# Allegro board A523-EVB-AXP717C-LPDDR4-4X-32X1-V1-0.brd (continued)
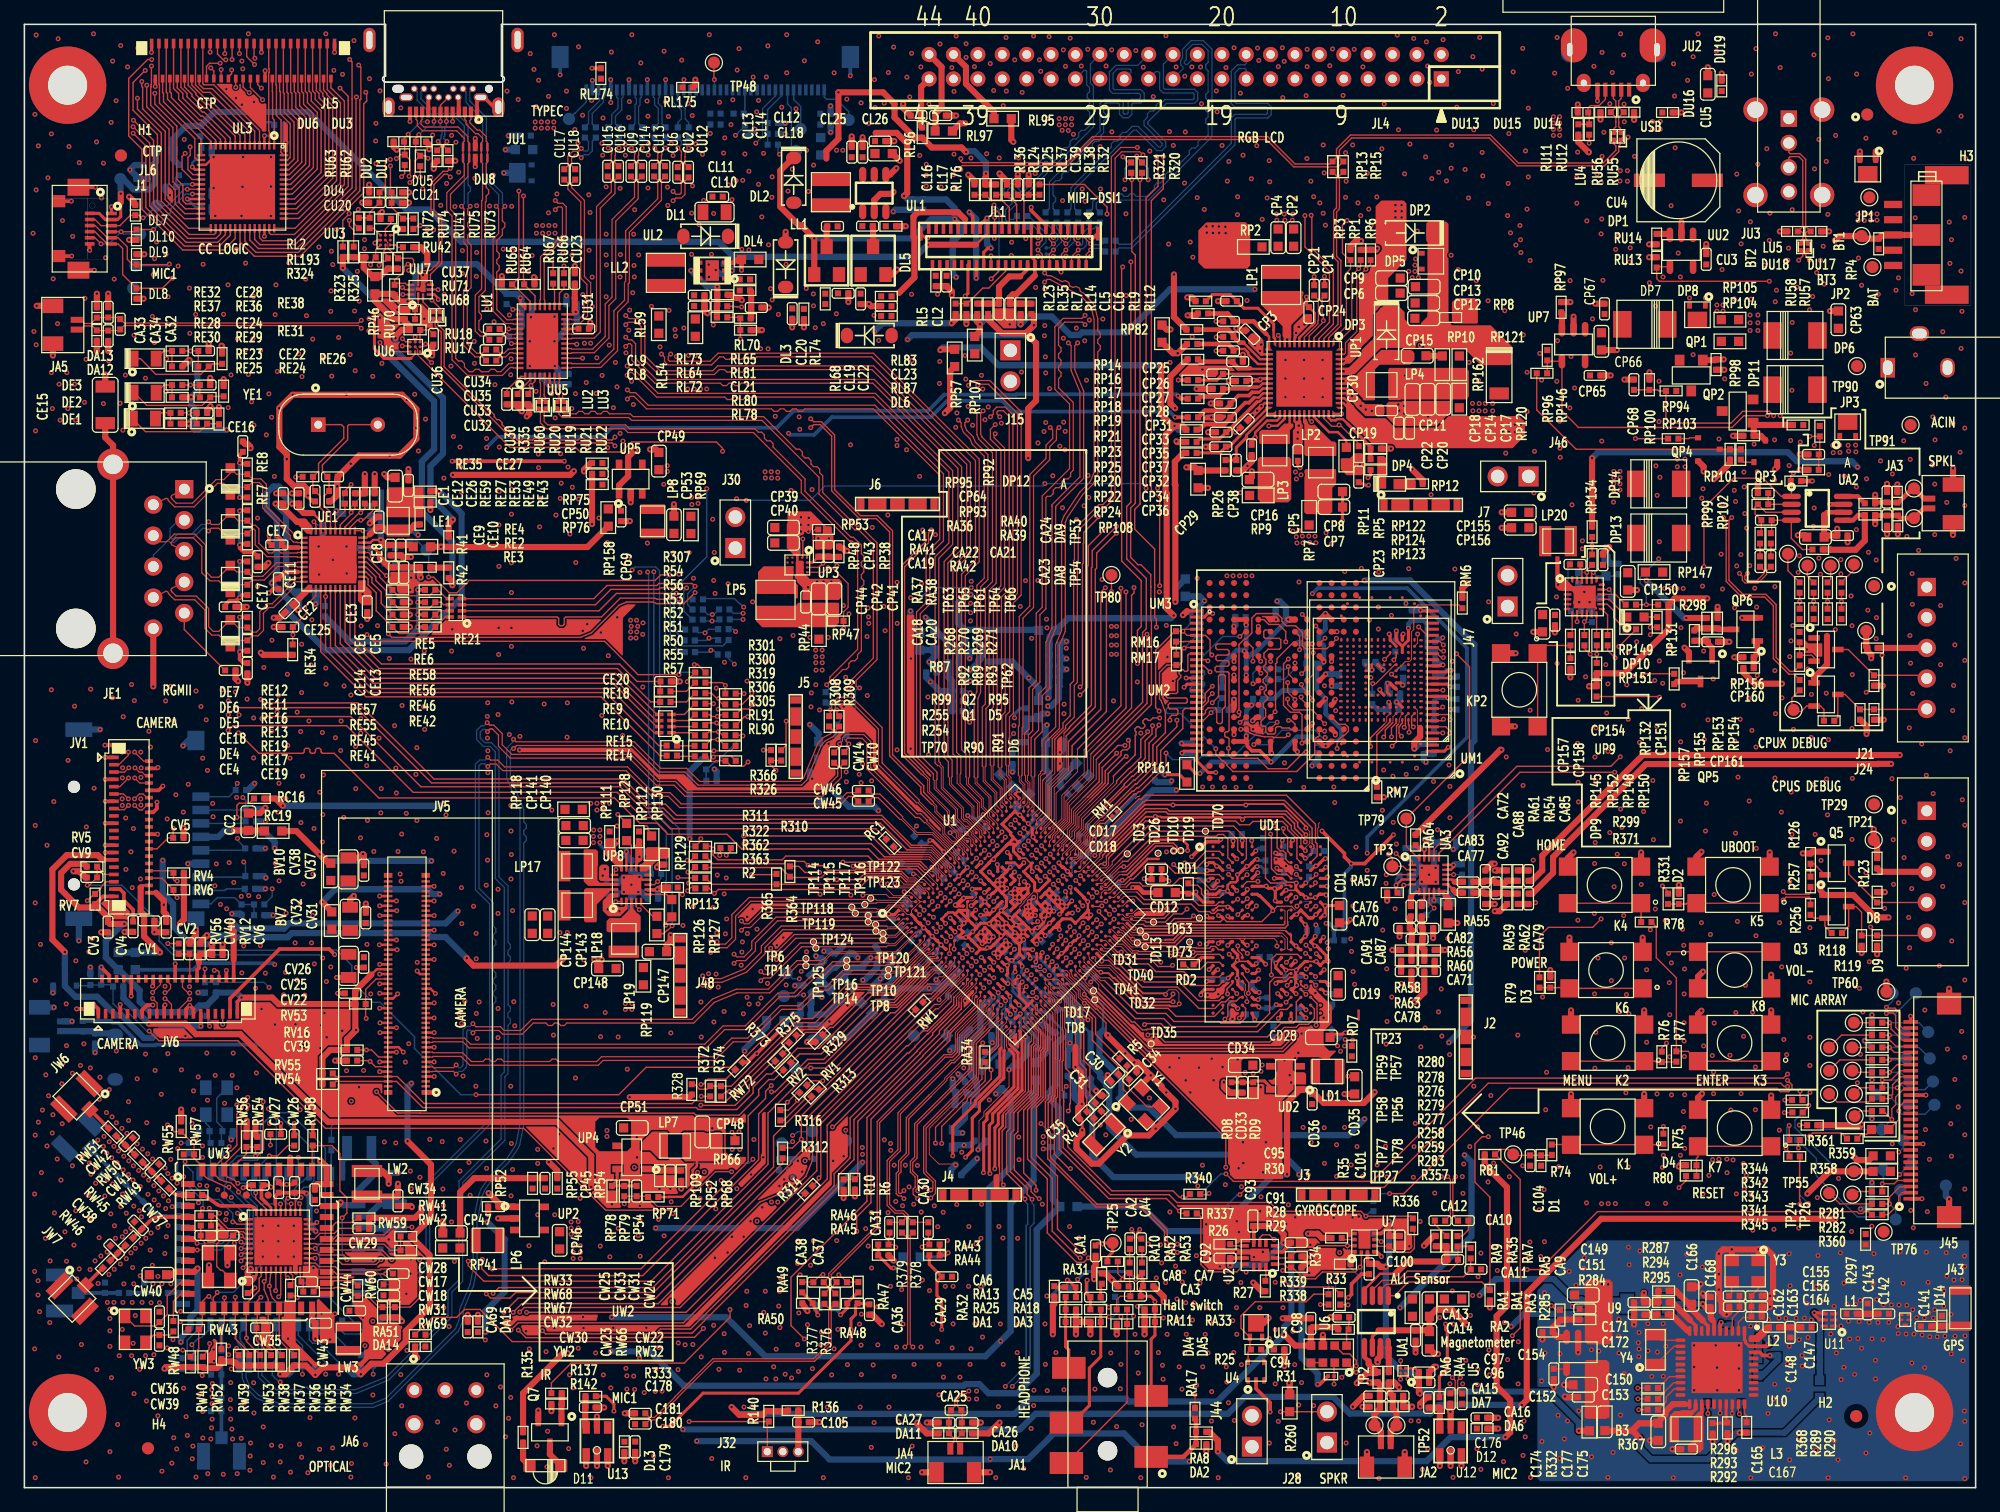
[diagram p0: board, top side]
## Routing (per net, layer and track width the routed paths; a pad name or vN(x,y) marks a point on that pad's centre or on a via; arc(x,y) is an arc through that point) (continued)
  L3 w0.114: v1(116.35,68.07) 116.12,68.07 115.29,67.25 114.93,66.38 114.93,65.56 114.36,62.4 113.93,61.74 v1(112.15,60.81) ; v1(104.79,71.61) 105.74,71.61 106.28,71.07 106.28,69.51 106.37,69.3 107.55,68.12 107.55,65.41 107.08,64.95 107.08,61.94 v1(106.66,61.52)
  L4 w0.114: v1(100.81,60.93) 100.53,61.22 99.11,61.22 97.65,61.82 92.29,61.82 92.11,62 v1(92.1,62) ; v1(112.15,60.81) 112.13,60.83 111.42,60.83 111.11,61.14 110.33,61.14 110.22,61.25 110.22,61.55 110.11,61.67 109.88,61.67 109.76,61.55 109.76,61.25 109.65,61.14 109.42,61.14 109.31,61.25 109.31,61.55 109.19,61.67 108.96,61.67 108.85,61.55 108.85,61.25 108.73,61.14 108.5,61.14 108.39,61.25 108.39,61.55 108.28,61.67 108.05,61.67 107.93,61.55 107.93,61.25 107.82,61.14 107.03,61.14 v1(106.66,61.52)
  BOTTOM w0.114: v1(100.81,60.93) 101.94,60.93 103.11,62.11 105.83,62.11 106.19,61.75 106.19,61.73 106.41,61.52 v1(106.66,61.52)
NDQ5: length 62.2
  TOP w0.076: 89.93,57.83 86.83,54.73 86.83,53.99 86.47,53.63 86.47,53.08 85.47,52.08 U1.P28
  TOP w0.102: v1(99.74,62.19) UM2.E10
  TOP w0.114: UM2.E10 100.48,61.89 100.86,61.74 101.68,61.57 102.36,61.57 102.41,61.52 103.41,61.52 103.63,61.74 v1(103.64,61.74) ; UM2.N4 106.18,70.37 105.89,70.66 v1(105.89,70.66) ; v1(113.54,61.95) 113.54,61.95 113.54,62.53 113.49,62.59 UM1.H3 ; UM3.42 115.85,68.9 116.11,68.64 116.32,68.64 v1(116.36,68.6) ; v1(92.51,62.49) 92.46,62.44 92.46,61.8 91.9,61.24 91.9,59.8 90.76,58.67 90.71,58.67 89.93,57.89 89.93,57.83
  L3 w0.114: v1(113.54,61.95) 113.54,62.03 113.53,62.04 113.53,62.98 113.88,65.1 114.32,66.37 115.27,67.85 116.08,68.61 v1(116.36,68.6) ; v1(105.89,70.66) 105.89,69.44 105.99,69.34 105.99,69.15 106.69,68.46 106.69,68.29 106.48,68.08 106.04,68.08 105.93,67.97 105.93,67.48 106.14,67.27 106.88,67.27 107.22,66.93 107.22,66.5 106.92,66.2 106.34,66.2 106.05,65.91 106.05,62.34 105.46,61.74 v1(103.64,61.74)
  L4 w0.114: v1(113.54,61.95) 113.52,61.96 112.85,61.96 112.25,62.56 112.25,62.72 112.51,62.98 112.51,63.14 112.34,63.3 112.18,63.3 111.92,63.05 111.76,63.05 111.5,63.31 105.54,63.31 105.08,62.85 105.08,62.69 105.39,62.38 105.39,62.22 105.23,62.06 105.07,62.06 104.76,62.37 104.6,62.37 103.98,61.75 103.64,61.75 v1(103.64,61.74) ; v1(92.51,62.49) 92.82,62.18 99.73,62.18 v1(99.74,62.19)
NDQ6: length 57.3
  TOP w0.076: U1.R27 85.47,51.59 85.78,51.89 85.78,52.11 86.63,52.96 86.63,53.52 87.02,53.9 87.02,54.41 88.25,55.65
  TOP w0.114: 88.25,55.65 90.18,57.58 90.18,57.69 90.84,58.35 90.93,58.35 92.22,59.64 92.22,61.06 92.79,61.63 92.79,62.2 93.03,62.45 v1(93.03,62.54) ; UM2.F10 v1(99.68,62.76) ; UM3.43 116.07,69.4 v1(116.35,69.11) ; UM1.J3 113.23,63.24 113.23,62.49 113.14,62.4 v1(113.14,62.36) ; UM2.M4 v1(106.64,69.67)
  L3 w0.114: v1(107.52,63.72) 107.52,63.85 107.93,64.26 107.93,68.38 v1(106.64,69.67) ; v1(116.35,69.11) 116.01,69.12 114.93,68.09 113.82,66.2 113.14,63.51 v1(113.14,62.36)
  L4 w0.114: v1(113.14,62.36) 113.14,62.9 112.52,63.53 107.71,63.53 v1(107.52,63.72) 107.33,63.53 105.3,63.53 103.86,62.08 103.22,62.08 103.1,61.97 103.1,61.5 102.99,61.39 102.76,61.39 102.64,61.5 102.64,61.97 102.53,62.08 102.3,62.08 102.19,61.97 102.19,61.5 102.07,61.39 101.84,61.39 101.73,61.5 101.73,61.97 101.62,62.08 101.28,62.08 101.02,61.82 100.61,61.82 v1(99.68,62.76) 99.42,62.5 93.16,62.5 93.12,62.54 v1(93.03,62.54)
NDQ7: length 68.1
  TOP w0.076: U1.R28 85.93,51.69 86.28,51.69 86.43,51.84 86.43,52.31 87.03,52.92 87.03,53.49 87.45,53.91 87.45,54.16 88.28,54.99 88.37,54.99
  TOP w0.114: v1(107.58,69.64) 107.58,69.59 UM2.M3 106.8,68.81 105.03,68.81 104.8,69.03 104.8,70.12 104.24,70.67 103.48,70.67 103.11,71.04 103.11,71.3 102.73,71.68 101.01,71.68 100.65,71.32 100.65,70.09 100.15,69.59 100.05,69.59 99.59,69.14 v1(99.59,63.6) 99.69,63.5 99.69,63.31 99.58,63.19 UM2.F11 ; v1(113.89,62.38) 113.76,62.52 113.76,63.26 UM1.J2 ; v1(114.33,70.59) 115.02,69.9 UM3.44 ; v1(94.5,62.93) 94.5,62.41 92.85,60.76 92.85,59.37 91.2,57.71 91.1,57.71 88.37,54.99
  L4 w0.114: v1(107.58,69.64) 113.38,69.64 v1(114.33,70.59) ; v1(99.59,63.6) 99.59,63.47 ; 99.59,63.47 99.59,63.2 99.21,62.81 94.62,62.81 v1(94.5,62.93) ; 99.59,63.47 100.53,62.53 101.02,62.53 101.17,62.38 103.78,62.38 105.25,63.86 107.18,63.86 107.38,64.06 107.66,64.06 107.86,63.86 113,63.86 113.11,63.74 113.11,63.25 113.22,63.13 113.45,63.13 113.57,63.25 113.57,63.74 113.68,63.86 114.24,63.86 114.35,63.74 114.35,62.84 v1(113.89,62.38)
NDQS: length 58.6
  TOP w0.076: 89.3,58.27 89.3,57.83 86.47,55 86.47,54.15 86.11,53.79 86.11,53.29 U1.N29
  TOP w0.114: v1(103.66,62.92) 103.88,62.92 104.18,62.62 UM2.E6 103.82,62.19 103.72,62.29 103.12,62.29 103.01,62.41 102.71,62.41 102.59,62.29 102.59,61.92 102.48,61.81 101.94,61.81 101.78,61.97 101.78,62.35 101.7,62.43 101.5,62.43 101.4,62.53 101.4,62.84 101.78,63.22 101.78,63.83 101.6,64.01 101.6,64.34 101.94,64.68 101.94,64.84 101.67,65.11 101.67,65.27 101.83,65.43 101.83,65.79 101.57,66.04 101.57,66.28 101.93,66.64 101.93,66.8 101.63,67.11 101.63,67.36 101.8,67.54 101.8,67.92 101.64,68.08 101.64,68.41 101.98,68.76 102.91,68.76 103.02,68.87 103.02,69.53 102.91,69.65 101.74,69.65 101.63,69.76 101.63,70.22 101.74,70.33 102.04,70.33 UM2.N8 ; 89.3,58.27 89.3,58.35 90.38,59.44 90.43,59.44 91.08,60.1 91.08,61.67 91.15,61.74 91.15,61.99 91.07,62.08 91.07,62.24 91.23,62.4 91.39,62.4 91.52,62.27 91.72,62.27 91.87,62.42 91.87,62.57 91.71,62.72 91.71,62.88 91.88,63.05 92.04,63.05 92.17,62.91 92.33,62.91 92.54,63.12 v1(93.09,63.12) ; UM3.35 v1(116.32,65.4)
  L4 w0.114: v1(116.32,65.4) 114.71,65.4 114.6,65.51 114.6,65.74 114.48,65.85 114.25,65.85 114.14,65.74 114.14,65.51 114.02,65.4 112.23,65.4 111.12,64.28 106.07,64.28 105.88,64.1 105.18,64.1 104,62.92 v1(103.66,62.92) 103.47,63.11 101.78,63.11 101.62,63.27 100.41,63.27 99.72,63.96 99.07,63.96 98.25,63.14 96.59,63.14 95.69,63.52 94.04,63.52 v1(93.09,63.12)
NQON: length 1.8
  TOP w0.114: UP9.7 126.91,70.06 RP145.2
NRB0: length 46.5
  TOP w0.076: 88.61,55.74 87.18,54.31 87.18,53.85 86.88,53.55 86.88,52.98 86.18,52.28 U1.R29
  TOP w0.114: UM1.W5 112.49,68.07 v1(112.29,67.88) ; UM2.J5 105.68,66.69 v1(105.68,68.47) ; 88.61,55.74 90.31,57.44 90.38,57.44 90.97,58.03 91.07,58.03 92.53,59.49 92.53,60.89 93.56,61.91 93.56,63.58 93.2,64.56 93.08,64.69 93.08,66.85 93.69,67.47 RM17.2 94.69,67.47 94.94,67.71 94.94,68.68 v1(95.1,68.85) 95.15,68.9 UM3.7
  L4 w0.114: v1(95.1,68.85) 95.67,69.42 100.34,69.42 100.62,69.7 104.45,69.7 v1(105.68,68.47) 105.91,68.24 107.84,68.24 107.89,68.29 111.68,68.29 111.89,68.07 111.89,68.07 112.09,67.88 v1(112.29,67.88)
  BOTTOM w0.114: RM15.1 95.96,69.71 v1(95.1,68.85) ; RM9.1 112.42,68 v1(112.29,67.88)
NRB1: length 39.4
  TOP w0.102: v1(100.74,65.93) 100.92,65.93 UM2.J9
  TOP w0.114: UM3.4 95.16,70.4 v1(95,70.23) ; v1(93.05,63.68) 92.76,63.97 92.76,68.66 94.33,70.23 RM16.2 v1(95,70.23) ; v1(97.37,68.29) 97.22,68.43 97.22,69.52 96.85,69.9 UM3.5 95.33,69.9 v1(95,70.23) ; v1(84.42,50.87) U1.R25
  L4 w0.076: v1(84.42,50.87) 84.42,51.48 86.59,53.65 86.59,53.97
  L4 w0.114: v1(93.05,63.68) 92.41,63.68 89.16,60.44 89.16,56.55 86.59,53.97 ; v1(100.74,65.93) 100.4,66.27 100.06,66.27 98.05,68.29 v1(97.37,68.29)
  BOTTOM w0.114: RM3.1 101.76,67.31 101.26,67.31 100.74,66.79 v1(100.74,65.93) ; v1(95,70.23) 95.57,70.81 95.57,71.76 RM14.1
NRBX: length 2.8
  TOP w0.114: UM3.6 95.09,69.4 95.06,69.37 95.05,69.38 RM16.1 94.46,69.36 RM17.1
NRE: length 71.9
  TOP w0.114: v1(102.72,62.77) 102.18,62.23 UM2.E8 ; v1(104.56,68.72) 104.57,68.73 104.57,69.81 UM2.N6 ; UM1.W6 111.99,68.38 v1(111.53,67.92) ; v1(93.61,60.24) 93.61,59.19 91.51,57.08 91.36,57.08 91.17,56.89 91.01,56.89 RM1.2 ; UM3.8 95.52,68.4 95.4,68.28 95.4,67.03 95.31,66.94 95.15,66.94 95.01,67.08 94.84,67.08 94.68,66.92 94.68,66.76 94.83,66.62 94.83,66.45 94.56,66.19 94.56,65.24 94.45,65.13 93.7,65.13 93.62,65.04 93.62,64.88 93.73,64.76 95.24,64.76 95.36,64.65 95.36,64.45 95.24,64.34 93.92,64.34 93.79,64.21 93.79,63.98 93.91,63.86 94.47,63.86 94.58,63.75 94.58,63.46 94.47,63.34 94.09,63.34 93.93,63.19 v1(93.93,62.94)
  L3 w0.114: v1(102.72,62.77) 102.72,62.88 102.92,63.08 102.92,63.33 103.04,63.45 104.95,63.45 105.06,63.56 105.06,63.79 104.95,63.9 103.04,63.9 102.92,64.02 102.92,67.8 103.84,68.72 v1(104.56,68.72) ; v1(93.93,62.94) 93.93,62.78 91.88,60.74 91.88,58.25 92,58.14 92.79,58.14 92.9,58.25 92.9,59.08 93.02,59.19 93.83,59.19 93.95,59.08 93.95,58.46 94.06,58.35 94.27,58.35 94.38,58.46 94.38,59.05 94.52,59.19 94.72,59.19 94.84,59.08 94.84,58.46 94.95,58.35 95.18,58.35 95.3,58.46 95.3,59.05 95.43,59.19 95.72,59.19 95.83,59.31 95.83,59.53 95.72,59.65 93.01,59.65 92.9,59.76 92.9,60.65 93.01,60.77 93.5,60.77 93.61,60.65 v1(93.61,60.24)
  L4 w0.114: v1(104.56,68.72) 105.21,68.07 105.21,67.91 104.74,67.43 104.74,67.27 104.9,67.11 105.06,67.11 105.54,67.58 105.7,67.58 105.9,67.38 107.44,67.38 107.98,67.92 v1(111.53,67.92)
  BOTTOM w0.114: v1(93.61,60.24) 94.15,59.71 96.26,59.71 96.54,59.98 99.17,59.98 101.02,61.83 101.59,61.83 101.78,62.02 101.78,62.46 102.09,62.77 v1(102.72,62.77)
NWE: length 66.3
  TOP w0.102: v1(112.1,66.71) 112.32,66.49 UM1.R5
  TOP w0.114: v1(97.4,64.37) 97.91,64.88 97.91,66.56 98.03,66.67 98.35,66.67 98.47,66.56 98.47,64.06 98.35,63.94 98.34,63.94 98.23,63.83 98.23,62.77 98.11,62.66 97.89,62.66 97.77,62.77 97.77,63.83 97.66,63.94 97.06,63.94 96.84,63.72 96.84,63.54 96.7,63.4 UM3.18 ; v1(84.07,50.49) 84.09,50.49 U1.R24 ; UM2.F8 102.19,63.2 102.19,63.27 v1(102.55,63.63) 102.59,63.67 102.59,67.55 102.7,67.67 102.7,67.98 103.92,69.19 UM2.M6
  L4 w0.076: v1(84.07,50.49) 84.07,51.36 86.38,53.66 86.38,54.3
  L4 w0.114: v1(112.1,66.71) 111.18,66.04 110.78,65.64 109.87,65.27 106.36,65.27 106.31,65.24 105.03,64.71 104.25,63.93 104.04,63.83 v1(102.55,63.63) 102.51,63.74 99.47,65.01 98.13,65.01 97.48,64.37 v1(97.4,64.37) 97.07,64.7 96.37,64.7 96.26,64.82 96.26,65.88 96.14,66 95.91,66 95.8,65.88 95.8,64.82 95.69,64.7 94.74,64.7 94.63,64.82 94.63,65.67 94.52,65.79 94.29,65.79 94.17,65.67 94.17,65.14 94.06,65.02 92.94,65.02 87.76,59.84 87.76,59.19 87.87,59.07 88.71,59.07 88.83,58.96 88.83,58.73 88.71,58.61 87.87,58.61 87.76,58.5 87.76,58.27 87.87,58.16 88.71,58.16 88.83,58.04 88.83,57.81 88.71,57.7 87.87,57.7 87.76,57.58 87.76,55.98 86.38,54.6 86.38,54.3
  BOTTOM w0.114: v1(112.1,66.71) 112.64,67.25 RM10.1
NWP: length 19
  TOP w0.114: UM2.K9 101.18,66.99 v1(101.39,66.78) ; v1(97.31,63.55) 96.65,62.9 UM3.19 ; v1(105.64,64.57) 105.64,64.74 UM2.H5 105.18,65.24 104.71,65.71 v1(104.71,65.86)
  L4 w0.114: v1(104.71,65.86) 104.65,65.86 104.55,65.77 104.52,65.77 104.24,65.49 102.97,65.49 102.78,65.69 102.74,65.69 101.68,66.75 101.42,66.75 v1(101.39,66.78) ; v1(105.64,64.57) 105.2,64.57 103.93,63.3 102.41,63.3 102,63.7 100.51,63.7 99.95,64.26 98.02,64.26 v1(97.31,63.55)
  BOTTOM w0.114: RM13.1 97.9,64.45 CM17.1 97.54,63.78 v1(97.31,63.55)
OTG-EN: length 21.1
  TOP w0.114: RP102.1 RP99.1 139.02,85.16 ; 139.02,85.16 QP4.3 ; 139.02,85.16 127.24,85.16 124.01,88.39 RP96.1
OWA-OUT: length 83
  TOP w0.114: R300.1 58.85,64.24 59.64,65.02 v1(59.64,65.15) ; v1(55.68,13.06) 54.95,12.33 52.38,12.33 52.03,11.97 39.99,11.97 37.36,14.61 36.1,14.61 35.45,13.96 33.46,13.96 RA51.1
  L3 w0.114: v1(59.64,65.15) 58.17,63.68 58.17,60.04 58.05,59.91 58.05,48.63 54.46,45.05 54.46,38.57 55.02,38.01 55.02,31.08 55.72,30.38 55.72,26.46 56.18,25.99 v1(56.18,24.71)
  L4 w0.114: v1(55.68,13.06) 56.18,13.56 v1(56.18,24.71)
PA-EN: length 1.5
  TOP w0.114: R361.2 150.65,28.98 151.08,28.98 R357.1
PA-SHDN: length 212.2
  TOP w0.114: v1(120.04,28.78) 119.53,28.78 118.94,28.19 118.94,25.05 120.17,23.83 RA3.2 119.5,16.87 113.49,16.87 112.36,15.74 UA1.1 ; v1(146.39,28.83) 146.65,29.09 148.98,29.09 R361.1 ; R301.1 v1(59,65.12) ; v1(145.06,83.21) 144.84,82.99 RA36.2 144.89,82.5 UA2.1 144.06,81.29 142.56,82.78 140.15,82.78 137.72,80.35 v1(137.72,75.53)
  L3 w0.114: v1(137.72,75.53) 137.44,75.8 127.53,75.8 127.48,75.86 127.48,75.86 127.34,75.99 127.34,75.99 127.01,76.33 104.04,76.33 102.49,77.88 91.59,77.88 90.2,76.48 72.26,76.48 68.59,72.81 66.07,72.81 63.39,70.13 63.39,69.5 v1(59,65.12) ; v1(120.04,28.78) 142.95,28.78 144.27,27.46 145.59,27.46 146.39,28.26 v1(146.39,28.83)
  L4 w0.114: v1(145.06,83.21) 144.89,83.04 144.89,71.62 147.14,69.37 147.14,54.48 148,53.63 148,48.78 146.78,47.56 146.78,29.22 v1(146.39,28.83)
PA-VDD: length 104.6
  TOP w0.254: UA1.6 110.53,12.39 111.04,12.9
  TOP w0.381: 147.6,79.78 147.81,79.99 UA2.6
  TOP w0.508: v1(118.29,13.36) 117.07,14.58 115.75,14.58 BA1.2 CA14.1 115.12,12.9 CA13.1 111.04,12.9 ; v1(148.65,78.64) CA21.1 147.7,78.08 CA22.1 147.57,79.75 147.6,79.78
  L3 w0.508: v1(118.29,13.36) 119.72,13.36 127.37,21.01 141.63,21.01 v1(141.73,21.11)
  L4 w0.508: v1(141.73,21.11) 148.87,28.26 148.87,46.58 150.44,48.15 150.44,75.46 148.65,77.26 v1(148.65,78.64)
PB13: length 60
  TOP w0.076: 87.67,59.93 87.67,58.25 85.56,56.14 85.56,54.66 84.85,53.96 84.85,53.79 84.5,53.45 84.5,53.09 U1.L28
  TOP w0.114: R320.1 91.64,107.43 v1(91.48,107.26) 91.48,80.66 91.05,80.23 91.05,78.61 92.68,76.97 92.68,74.02 92.68,74.01 92.68,71.35 92.82,71.21 v1(92.82,70.56) ; v1(92.05,69.98) 92.05,64.32 87.67,59.93
  L3 w0.114: v1(92.05,69.98) 92.24,69.98 v1(92.82,70.56)
  BOTTOM w0.114: v1(91.48,107.26) 91.64,107.43 R320.1
PB14: length 59.4
  TOP w0.076: U1.L29 85,53.59 85,53.89 85.71,54.6 85.71,55.94 87.89,58.12 87.89,59.71
  TOP w0.114: R321.1 90.81,107.78 v1(90.81,107.26) 90.81,101.37 91.09,101.08 91.09,80.73 90.71,80.34 90.71,76.29 91.32,75.68 91.55,75.68 92.36,74.87 92.36,73.89 92.37,73.88 92.37,71.16 92.41,71.11 92.41,64.23 87.89,59.71
  BOTTOM w0.114: v1(90.81,107.26) 90.81,107.78 R321.1
PCIE21-CLKREQN: length 54.1
  L3 w0.114: v1(50.04,8.05) 50.44,8.45 62.37,8.45 v1(62.9,8.99)
  L4 w0.114: v1(62.9,8.99) 62.9,24.34 v1(62.51,24.74) ; v1(50.04,8.05) 49.68,7.69 49.24,7.69 48.1,8.83 29.06,8.83 v1(28.6,9.3)
  BOTTOM w0.114: v1(62.51,24.74) 62.76,24.49 RW73.2 63.19,24.13 63.2,24.14 R317.1 ; RW70.1 v1(28.6,9.3)
PCIE21-CLKREQN-1V8: length 4.3
  BOTTOM w0.114: UW1.37 26.06,12.79 26.25,12.6 27.49,12.6 28.6,11.49 RW70.2
PCIE21-PERSTN: length 55
  L4 w0.114: v1(64,26.8) 62.7,28.1 57.89,28.1 57.81,28.02 44.58,28.02 43.73,27.17 25.39,27.17 23.68,28.87 23.23,28.87 22.65,29.46 14.05,29.46 v1(12.85,28.26)
  BOTTOM w0.114: R315.1 64.32,26.97 64.15,26.8 v1(64,26.8) ; RW19.1 v1(12.85,28.26)
PCIE21-PERSTN-1V8: length 2
  BOTTOM w0.114: RW19.2 14.36,26.55 UW1.12
PCIE21-RDN: length 101.9
  TOP w0.102: R308.1 66.24,62.16 66.24,61.96 66.11,61.83 65.48,61.49 65.07,61.04 64.48,59.62 63.89,58.2 63.61,57.92 55.37,57.92 54.29,58.99 52.17,58.99 50,61.16 40.31,61.16 v1(40.11,61.37)
  BOTTOM w0.102: CW13.2 18.17,9.41 18.17,9.03 18.46,8.33 19.2,7.59 20.9,6.88 28.54,6.88 29.66,7.35 35.34,13.03 35.63,13.73 35.68,13.95 35.68,14.58 36.54,16.67 36.8,17.99 36.8,21.79 37.24,23.99 37.45,24.49 38.17,25.57 39.48,26.87 40.22,27.99 40.33,28.25 40.65,29.83 40.65,55.54 39.55,58.19 39.55,60.64 40.11,61.2 v1(40.11,61.37)
PCIE21-RDP: length 103.3
  TOP w0.102: R309.1 66.55,62.17 66.55,61.84 66.29,61.58 65.67,61.25 65.33,60.87 64.15,58.03 63.73,57.61 55.24,57.61 54.17,58.68 52.05,58.68 49.87,60.86 40.35,60.86 v1(40.11,60.61)
  BOTTOM w0.102: CW9.2 17.86,9.4 17.86,8.97 18.2,8.15 19.03,7.33 20.84,6.58 28.6,6.58 29.84,7.09 35.6,12.86 35.93,13.64 35.98,13.89 35.98,13.89 35.98,13.92 35.98,14.52 36.83,16.58 37.11,17.96 37.11,19.19 37.31,19.39 37.31,19.7 37.11,19.9 37.11,20.2 37.31,20.4 37.31,20.71 37.11,20.91 37.11,21.76 37.54,23.9 37.72,24.35 38.41,25.37 39.71,26.68 40.49,27.84 40.62,28.16 40.95,29.8 40.95,52.87 41.15,53.07 41.15,53.37 40.95,53.57 40.95,53.88 41.15,54.08 41.15,54.38 40.95,54.59 40.95,55.6 39.85,58.25 39.85,60.51 39.95,60.61 v1(40.11,60.61)
PCIE21-REFCLKN: length 10.5
  TOP w0.076: 72.01,55.02 72.02,55.01 72.02,54.9 73.2,53.72 74.5,53.72 75.87,52.35 75.87,52.24 76.37,51.74 76.37,51.5 76.63,51.23 U1.C14
  TOP w0.102: 72.01,55.02 70.14,56.88 69.52,56.88 CW46.2
PCIE21-REFCLKP: length 9.7
  TOP w0.076: 71.79,54.8 71.9,54.8 73.14,53.56 74.43,53.56 75.71,52.28 75.71,52.18 76.22,51.67 76.22,51.43 76.28,51.37 U1.B14
  TOP w0.102: 71.79,54.8 70.02,56.58 69.52,56.58 CW45.2
PCIE21-REXT: length 7.8
  TOP w0.114: v1(77.69,50.48) 77.65,50.48 U1.E14
  L4 w0.102: 74.67,52.38 75.74,51.31 76.4,51.31 77.22,50.48 v1(77.69,50.48)
  L4 w0.114: v1(73.15,54.25) 73.15,53.7 74.12,52.73 74.32,52.73 74.67,52.38
  BOTTOM w0.114: R20.2 72.95,54.05 v1(73.15,54.25)
PCIE21-TEST: length 50.4
  TOP w0.114: U1.F14 77.98,50.1 v1(78.03,50.1)
  L4 w0.114: J15.2 81.78,89.8 81.78,85.91 82.85,84.84 82.85,84.09 79.82,81.06 79.82,75.16 78.47,73.81 v1(77.64,73.81) ; v1(73.27,72.75) 73.37,72.65 73.37,55.08 76.38,52.07 76.58,52.07 78.03,50.61 v1(78.03,50.1)
  BOTTOM w0.114: v1(73.27,72.75) 74.34,73.81 v1(77.64,73.81)
PCIE21-WAKEN: length 47
  TOP w0.114: RW72.1 57.52,33.5 56.07,33.5 55.63,33.06 55.48,33.06 v1(55.48,33.06) ; v1(63.37,31.77) 63.37,31.69 62.63,30.95 62.41,30.95 62.4,30.96 R316.1
  L4 w0.114: v1(63.37,31.77) 63.35,31.79 63,31.79 61.45,33.33 61.09,33.33 60.82,33.06 55.48,33.06 v1(55.48,33.06) 55.48,33.06 41.26,33.06 39.77,31.57 26.93,31.57 v1(26.8,31.69)
  BOTTOM w0.114: v1(26.8,31.69) 26.8,31.28 25.17,29.64 RW71.1
PCIE21-WAKEN-1V8: length 1.9
  BOTTOM w0.114: UW1.24 25.16,27.09 RW71.2
PCIE-RDN: length 108.3
  TOP w0.102: CW14.1 66.67,59.19 66.69,58.65 66.69,58.37 65.32,57 54.3,57 53.39,57.91 51.94,57.91 49.72,60.13 39.97,60.13 39.18,60.92 39.18,61.84 38.48,62.53 38.32,62.53 38.17,62.53 v1(37.95,62.73)
  BOTTOM w0.102: UW1.44 19.76,12.82 19.48,12.55 19.48,9.2 20.65,8.03 22.67,8.03 22.87,8.23 23.17,8.23 23.37,8.03 23.68,8.03 23.88,8.23 24.18,8.23 24.38,8.03 27.13,8.03 29.72,9.1 34.74,14.12 34.74,16.15 35.63,17.04 35.63,25.14 39.09,28.6 39.09,33.82 39.34,34.08 39.34,49.23 38.61,49.96 38.61,60.35 38.18,60.78 37.64,60.78 37.08,61.35 37.08,62.1 37.46,62.48 37.7,62.48 v1(37.95,62.73)
PCIE-RDP: length 109.7
  TOP w0.102: v1(37.97,62) 38.18,62.22 38.33,62.23 38.36,62.23 38.87,61.71 38.87,60.79 39.84,59.83 49.59,59.83 51.82,57.61 53.26,57.61 54.17,56.7 65.45,56.7 66.99,58.24 66.99,58.65 66.98,59.19 CW10.1
  BOTTOM w0.102: UW1.45 18.86,12.82 19.18,12.5 19.18,9.07 20.53,7.72 27.19,7.72 29.89,8.84 35.05,14 35.05,16.02 35.93,16.91 35.93,25.01 39.4,28.47 39.4,33.7 39.65,33.95 39.65,37.9 39.85,38.1 39.85,38.4 39.65,38.6 39.65,38.91 39.85,39.11 39.85,39.41 39.65,39.61 39.65,43.02 39.85,43.22 39.85,43.52 39.65,43.73 39.65,44.03 39.85,44.23 39.85,44.54 39.65,44.74 39.65,49.35 38.91,50.09 38.91,60.48 38.3,61.09 37.77,61.09 37.38,61.48 37.38,61.97 37.59,62.18 37.79,62.18 v1(37.97,62)
PCIE-REFCLKN: length 83.9
  TOP w0.102: CW46.1 68.19,56.99 67.44,56.99 66.53,56.07 53.86,56.07 52.93,57 51.56,57 49.45,59.11 39.37,59.11 38.81,59.66 38.22,59.66 v1(38,59.89)
  BOTTOM w0.102: v1(38,59.89) 37.77,59.67 37.32,59.67 36.98,59.33 36.98,49.02 38.15,47.85 38.15,30.2 32.94,24.99 32.94,18.29 31.61,16.97 29.56,16.97 29.21,17.32 29.21,17.39 28.73,17.87 28.06,17.87 27.95,17.76 UW1.33
PCIE-REFCLKP: length 84.6
  TOP w0.102: v1(38,59.14) 38,59.14 38.2,59.34 38.69,59.34 39.23,58.8 49.33,58.8 51.44,56.69 52.81,56.69 53.73,55.77 66.65,55.77 67.57,56.69 67.97,56.69 CW45.1
  BOTTOM w0.102: v1(38,59.14) 38,59.14 37.77,59.36 37.44,59.36 37.29,59.21 37.29,49.15 38.46,47.98 38.46,46.05 38.66,45.85 38.66,45.54 38.46,45.34 38.46,45.04 38.66,44.84 38.66,44.53 38.46,44.33 38.46,42.4 38.66,42.2 38.66,41.89 38.46,41.69 38.46,41.39 38.66,41.19 38.66,40.88 38.46,40.68 38.46,40.38 38.66,40.17 38.66,39.87 38.46,39.67 38.46,30.07 33.24,24.86 33.24,18.17 31.74,16.66 29.51,16.66 28.81,15.96 UW1.35
PCIE-TDN: length 3.2
  BOTTOM w0.102: UW1.46 17.96,13 17.68,12.72 17.68,12.23 17.79,11.96 17.98,11.77 18.15,11.36 18.15,10.78 CW13.1
PCIE-TDP: length 3.2
  BOTTOM w0.102: UW1.47 17.06,13.09 17.37,12.78 17.37,12.17 17.53,11.79 17.72,11.6 17.84,11.3 17.84,10.75 CW9.1
PE1: length 25.1
  TOP w0.076: U1.J2 74.51,44.16 74.26,43.91 74.06,43.91 73.06,42.91
  TOP w0.114: 73.06,42.91 71.19,41.04 67.76,41.04 64.85,38.13 63.17,38.13 57.96,32.92 R374.1 56.65,32.92 56.64,32.94 R372.1 55.97,32.67 55.35,32.67 54.94,33.08 R328.2
PE2: length 16.9
  TOP w0.076: 74.86,44.16 74.86,43.81 74.61,43.56 74.3,43.56 73.37,42.63
  TOP w0.114: 73.37,42.63 71.31,40.58 69.15,40.58 66.32,37.74 66.06,37.74 R329.2 65.28,37.33 64.05,37.33 63.82,37.09 R375.1 63.31,36.52 62.63,35.84 62.42,35.84 R373.1
PE10: length 15.8
  TOP w0.076: 74.23,42.05 74.57,42.39 75.22,42.39 U1.N1
  TOP w0.114: v1(64.48,34.41) 65.73,34.41 65.79,34.48 65.8,34.48 70.17,38.85 70.17,38.86 70.71,39.4 71.58,39.4 74.23,42.05
  BOTTOM w0.114: TP109.1 64.07,34.42 64.07,34.41 v1(64.48,34.41)
PG2: length 23.4
  TOP w0.076: U1.P3 76.63,42.75 76.01,42.13
  TOP w0.114: 76.01,42.13 74.37,40.49 73.7,40.49 71.2,37.98 71.2,37.98 63.71,30.49 63.71,30.35 63.7,30.34 v1(63.7,28.57) 62.99,27.86 R312.2
  BOTTOM w0.114: R315.2 64.39,28.18 v1(63.7,28.57)
PG3: length 19.7
  TOP w0.076: 74.86,41.3 74.9,41.3 76.28,42.67 U1.P2
  TOP w0.114: 74.86,41.3 74.07,41.3 70.91,38.13 70.9,38.13 65.44,32.67 R313.2 64.56,32.67 64.02,32.13 64.02,31.89 62.24,30.11 R316.2
PG4: length 23.9
  TOP w0.076: U1.T3 77.34,42.04 75.76,40.46 75.76,40.08 74.95,39.27
  TOP w0.114: 74.95,39.27 74.73,39.27 65.31,29.85 65.31,25.56 v1(65.15,25.4) 65.15,25.27 R314.2
  BOTTOM w0.114: v1(65.15,25.4) 65.15,25.27 R317.2
PG10: length 6.1
  TOP w0.076: U1.U1 76,40.34 76,39.87
  TOP w0.114: v1(73.93,37.8) 76,39.87
  BOTTOM w0.114: v1(73.93,37.8) 73.19,37.07 TP87.1
PH0: length 34.4
  TOP w0.114: v1(76.63,48.69) 76.56,48.69 U1.F10
  L4 w0.076: v1(76.63,48.69) 75.92,48.69 74.9,49.71 73.05,49.71 72.3,50.47
  L4 w0.114: v1(56.39,71.07) 57.36,70.1 57.53,70.1 61.13,66.5 61.13,62.34 64.65,58.82 64.87,58.82 65.27,58.42 65.27,57.5 72.3,50.47
  BOTTOM w0.114: R45.1 55.74,71.07 v1(56.39,71.07) 56.86,71.07 RL88.1
PH1: length 34.9
  TOP w0.114: v1(76.28,49.07) 76.23,49.07 U1.E10
  L4 w0.076: v1(76.28,49.07) 75.82,49.07 75.02,49.87 73.91,49.87 73.36,50.42
  L4 w0.114: v1(56.41,71.6) 57.41,70.6 58.5,70.6 61.45,67.66 61.45,62.47 64.78,59.14 65.01,59.14 65.59,58.55 65.59,57.68 72.59,50.67 73.1,50.67 73.36,50.42
  BOTTOM w0.114: RL89.1 56.53,71.6 v1(56.41,71.6) 56.04,71.6 R46.1
PH2: length 57.2
  TOP w0.114: U1.D10 75.9,49.44 v1(75.9,49.44) ; v1(57.55,51.86) 57.93,52.23 R310.2
  L3 w0.114: v1(58.98,72.21) 58.88,72.21 58.55,71.88 58.55,70.99 59.21,70.33 59.21,68.02 57.85,66.66 57.85,60.17 57.55,59.87 v1(57.55,51.86)
  L4 w0.076: 73.61,50.55 73.9,50.26 75.08,50.26 v1(75.9,49.44)
  L4 w0.114: 73.61,50.55 73.23,50.93 72.85,50.93 65.91,57.87 65.91,58.69 65.14,59.46 64.92,59.46 61.77,62.6 61.77,68.78 59.31,71.23 59.31,71.88 v1(58.98,72.21)
  BOTTOM w0.114: R48.1 55.71,72.91 58.23,72.91 58.64,72.5 58.69,72.5 v1(58.98,72.21)
PH3: length 21.6
  TOP w0.076: 74.86,49.82 74.8,49.88 74.8,50.23 74.48,50.55 74.28,50.55 73.91,50.92
  TOP w0.114: 73.91,50.92 73.48,51.35 69.62,51.35 69.17,51.79 62.44,51.79 62.13,51.48 56.86,51.48 56.46,51.89 v1(56.46,52.36) 56.23,52.6 R311.2
  BOTTOM w0.114: R49.1 56.23,52.59 v1(56.46,52.36)
PH4: length 26.6
  TOP w0.076: U1.A10 74.44,50.17 73.92,50.69 73.85,50.69
  TOP w0.114: v1(67.12,51.29) 69.06,51.29 69.2,51.16 73.38,51.16 73.85,50.69 ; R319.2 57.07,63.37 56.94,63.24 v1(56.82,63.24) 56.34,63.24 56.18,63.4 R52.1
  L4 w0.114: v1(67.12,51.29) 65.74,52.68 64.51,52.68 58.21,58.98 58.21,61.85 v1(56.82,63.24)
PH5: length 37.1
  TOP w0.076: 73.72,50.16 73.82,50.16 U1.B9
  TOP w0.114: R322.2 56.45,51.17 62.26,51.17 62.46,51.36 63.09,51.36 63.09,51.36 63.93,51.36 v1(64.26,51.03) 64.28,51.01 65.48,51.01 65.86,50.62 68.09,50.62 68.2,50.73 73.14,50.73 73.72,50.16 ; v1(56.5,64.29) R53.1
  L4 w0.114: v1(56.5,64.29) 56.5,63.44 56.4,63.34 56.4,61.11 56.94,60.57 56.94,58.35 v1(64.26,51.03)
PH6: length 30.5
  TOP w0.076: U1.C9 74.87,49.46 73.89,50.44 73.79,50.44
  TOP w0.114: R54.1 57.25,66.01 v1(57.48,65.79) 57.47,65.78 R301.2 ; v1(67.95,50.96) 73.27,50.96 73.79,50.44
  L4 w0.114: v1(67.95,50.96) 67.95,51.58 66.04,53.49 64.74,53.49 58.95,59.28 58.95,61.18 59.28,61.5 59.28,61.88 58.33,62.82 58.33,64.83 58.32,64.84 58.32,64.94 v1(57.48,65.79)
PH7: length 31.2
  TOP w0.114: v1(75.91,48.1) 75.88,48.07 75.88,48.05 75.86,48.03 75.86,47.99 U1.F8 ; R56.1 56.34,65.15 56.77,64.71 v1(56.93,64.71) 56.98,64.66 56.98,64.5 57.25,64.24 R300.2
  L4 w0.076: v1(75.91,48.1) 75.88,48.08 74.93,48.08 74.63,48.38 72.4,48.38 72.39,48.36 71.57,48.36 71.51,48.42
  L4 w0.114: 71.51,48.42 71.38,48.55 69.88,48.55 67.61,50.82 67.61,51.31 65.92,53.01 64.63,53.01 58.53,59.11 58.53,61.98 58.02,62.5 58.02,63.63 v1(56.93,64.71)
PH8: length 21.6
  TOP w0.114: v1(75.49,48.39) 75.48,48.38 75.48,48.37 75.45,48.34 75.45,48.28 U1.E8 ; v1(61.63,58.82) 61.06,59.39 61.06,59.49 R366.1 62.04,59.64 R326.2
  L4 w0.076: v1(75.49,48.39) 75.49,48.86 75.17,49.19 70.11,49.19 70.08,49.23
  L4 w0.114: v1(61.63,58.82) 61.75,58.82 69.76,50.82 69.76,49.55 70.08,49.23
PH9: length 25.6
  TOP w0.114: R57.1 55.84,59.97 56.26,59.55 56.64,59.55 56.7,59.61 RL90.1 57.51,59.61 57.96,59.16 58.98,59.16 v1(59.33,59.51) ; 74.86,48.4 75.13,48.67 75.13,48.76 v1(75.14,48.76)
  L4 w0.114: v1(75.14,48.76) 75.13,48.76 72.52,48.76 72.29,48.53 71.67,48.53 71.46,48.74 70.29,48.74 69.47,49.57 69.47,50.66 61.68,58.45 61.49,58.45 61.26,58.68 61.26,58.75 60.5,59.51 v1(59.33,59.51)
PH10: length 26.3
  TOP w0.076: U1.B8 74.11,49.16 73.7,49.16 73.03,49.83 72.4,49.83 71.92,50.31 71.89,50.31
  TOP w0.114: v1(66.62,49.86) 66.63,49.86 68.38,49.86 68.87,50.35 71.85,50.35 71.89,50.31 ; RL91.1 56.94,61.35 v1(56.85,61.35) 56.32,61.35 R55.1
  L4 w0.114: v1(66.62,49.86) 64.87,51.61 64.23,51.61 57.26,58.58 57.26,60.94 v1(56.85,61.35)
PH11: length 19
  TOP w0.076: 72.47,50 73.09,50 73.43,49.66 73.61,49.66 U1.A8
  TOP w0.114: 72.47,50 71.93,50.54 68.28,50.54 68.17,50.43 65.75,50.43 65.35,50.04 62.83,50.04 R364.1 62.02,50.85 55.88,50.85 R362.2
PH12: length 19.7
  TOP w0.076: U1.C7 74.16,48.76 73.91,49.01 73.63,49.01 72.96,49.68 72.31,49.68 72.31,49.68
  TOP w0.114: R363.2 56.36,49.48 R365.1 68.34,49.48 69.03,50.16 71.07,50.16 71.11,50.12 71.87,50.12 72.31,49.68
PH13: length 20
  TOP w0.076: U1.B7 73.67,48.76 72.93,49.49 72.12,49.49 71.68,49.93 71.03,49.93 70.99,49.97
  TOP w0.114: R2.2 56.16,49.15 v1(56.58,48.73) 56.9,49.05 68.34,49.05 69.26,49.97 70.99,49.97
  BOTTOM w0.114: v1(56.58,48.73) 56.16,49.15 R59.1
PH14: length 32.4
  TOP w0.076: v1(70.77,49.51) 71.09,49.19 72.67,49.19 U1.A6
  L4 w0.114: v1(55.81,70.1) 55.77,70.06 55.77,69.51 56.25,69.03 57.68,69.03 60.5,66.21 60.5,61.92 61.34,61.07 61.34,60.37 70.77,50.94 v1(70.77,49.51)
  BOTTOM w0.114: R1.2 56.11,70.4 v1(55.81,70.1) 55.79,70.12 55.26,70.12 R43.1
PH15: length 32.2
  TOP w0.076: U1.B6 73.45,48.75 73.35,48.86 73.35,48.86 73.2,49.01 73.2,49.01 73.15,49.05 73.08,49.05 72.79,49.34 71.58,49.34 v1(71.37,49.54)
  L4 w0.114: v1(56.14,69.66) 57.5,69.66 60.81,66.35 60.81,62.21 64.52,58.5 64.74,58.5 64.95,58.29 64.95,57.24 71.37,50.83 v1(71.37,49.54)
  BOTTOM w0.114: R44.1 55.93,69.48 56.11,69.66 v1(56.14,69.66) 56.74,69.66 R3.2
PH16: length 30.7
  TOP w0.076: U1.A5 72.61,48.54 71.27,48.54 v1(70.26,49.54)
  L4 w0.114: v1(56.29,68.67) 57.59,68.67 60.13,66.13 60.13,61.84 60.97,60.99 60.97,60.29 70.26,51 v1(70.26,49.54)
  BOTTOM w0.114: R47.1 56.14,68.52 v1(56.29,68.67) 56.51,68.67 R304.2
PH17: length 25.4
  TOP w0.076: U1.B5 72.74,48.05 72.41,48.39 70.93,48.39 70.67,48.64 68.82,48.64 v1(68.76,48.57)
  TOP w0.114: R305.2 57.24,61.7 56.95,61.98 v1(56.91,61.98) 56.12,61.98 R50.1
  L4 w0.114: v1(56.91,61.98) 57.58,61.31 57.58,58.72 64.28,52.02 65.31,52.02 v1(68.76,48.57)
PH18: length 27.6
  TOP w0.114: R51.1 56,62.71 56.76,62.71 v1(56.76,62.71) 56.96,62.52 R306.2 ; U1.D6 74.43,47.97 74.43,48.05 v1(74.44,48.06)
  L4 w0.076: v1(74.44,48.06) 74.29,48.21 70.44,48.21 70.39,48.26
  L4 w0.114: 70.39,48.26 69.65,48.26 66.97,50.93 66.97,50.93 66.76,51.14 66.76,51.15 65.56,52.35 64.4,52.35 57.9,58.85 57.9,61.58 v1(56.76,62.71)
